# Altium PCB Atom-N.PcbDoc (continued)
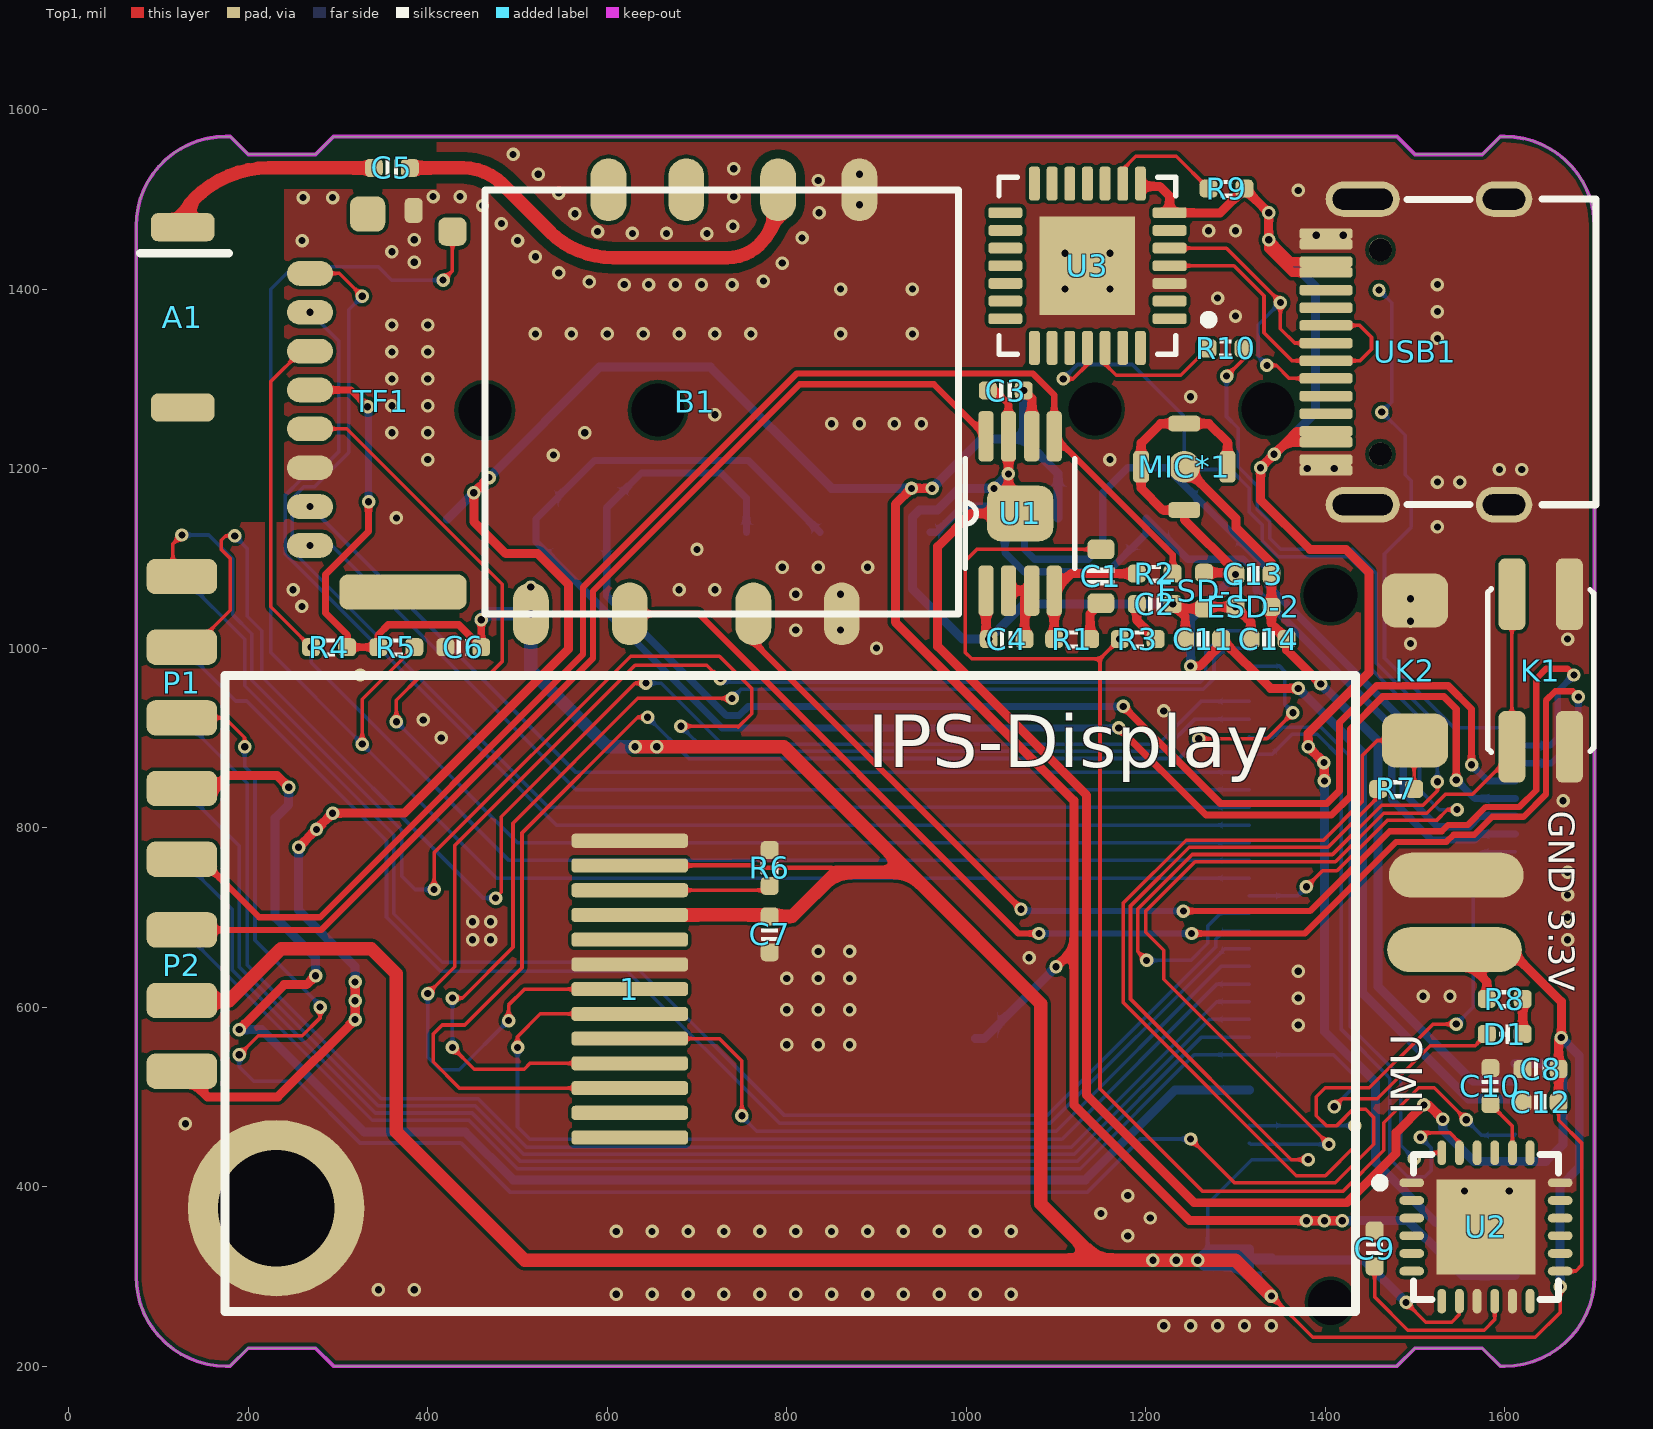
[diagram p0: Top1 view]
## Footprints (in the part's own frame and the unit in brackets; to place one, negate y for a bottom-side part, rotate by r counter-clockwise, add the part's x,y. Pads: shape width x height; smd on the part's side, far side on the other; paste and mask are expansions set on the pad) (continued)
USB-WIFI-BT-RTL8723BU [mil]
  oval 70x40 smd: 1(-240.63,150.94) 2(-240.63,60.39) 3(-240.63,-41.97) 4(-240.63,-128.58) 5(231.81,-215.2) 6(231.81,-104.96) 7(231.81,32.83) 8(231.81,131.26)
  silkscreen extent -241,-266 232,261, body extent -239,-264 234,263, height 55

## Part data
1: "显示屏"
A1: library part ANT-Rainsun-AP5120
B1: library part USB-WiFi-BT-RTL8723BU
C1: library part 电容-0603, "Capacitor"
C2 C3 C4 C5 C6 C7 C8 C9 C10 C11 C12 C13 C14: library part 电容-0402, "Capacitor"
D1: library part LED_0402, "LED", Type=0402
ESD-1 ESD-2 ESD-3 ESD-4 ESD-5 ESD-6: "ESD"
K1: library part ButtonTACT, "Button", Type="TACT 4P"
K2: library part ButtonTACT_3x4x2_180, "Button", Type="TACT 2P"
MIC*1: library part MIC
P1 P2: "Header"
R1 R2 R3 R4 R5 R6 R7 R8 R9 R10: library part 电阻-0402, "Resistor"
S1: library part Quantum-Quark-N
TF1: library part TF卡座, "8脚自弹"
U2: "六轴传感器"
U3: "USB转TTL", MFG #1="SILICON LABS", PART DESC="SINGLE-CHIP USB TO UART BRIDGE, QFN28, RoHS.", PART NUMBER=CP2102, RefDes=RefDes, Type=DEV
USB1: library part USB-Type-C-TOP

## Free pads (board coordinates)
  oval 50x150 smd far side: ""(927,610) ""(1010,610)
  oval 150x50 smd: ""(1544,664) ""(1546,747)
  round 137.8 smd far side: ""(1622,1364)

## Via types
v1: diameter 15, hole 8, Top1 to Bottom2, tented both sides, 283 vias

## Nets (pads, with @x,y where several pads share a name; then routed paths per layer and width w, separated by ;. In a path a pad name is that pad's centre, name@x,y a point inside that pad or via, vN(x,y) a via of type N, cw(c..) or ccw(c..) an arc to the next point about the centre after c; other vN are vias at no path point)
AGND: C2.1 C3.1 C4.1 C11.1 C14.1 ESD-1.2 ESD-2.1 S1.25 U1.1 U1.7 U1.9 | length 2510.7
  Top1 w8: C3.1 1032,1287 1047,1272 U1.7
  Top1 w10: C4.1@1022,1013 U1.1 ; U1.9@1047,1163 v1(1047,1194) U1.7 ; U1.9 1005,1150 968,1113 968,1002 1134,836 1134,502 1254,382 1424,382 1479,437 1479,460 v1(1510,491) 1515,491 v1(1531,475) ; v1(1230,1049) C2.1@1235,1044 ; C11.1 1244,1035 C2.1@1235,1044 ; C14.1 1317,1029 v1(1300,1046) 1267,1046 ESD-1.2 C2.1@1235,1044
  Bottom2 w10: v1(1047,1194) v1(1031,1178) 992,1178 968,1154 948,1154 940,1146 940,1066 996,1010 v1(1025,1010) 1064,1049 v1(1230,1049) ; v1(1510,491) 1515,491 v1(1531,475) 1531,462.5 1565.5,428 1645.95,428 1665,447.05 1665,525 1652.95,537.05 S1.25
AP-RESET: K1.2 K1.4 S1.16 | length 1092.8
  Top1 w4: v1(1404,447) 1220,631 1220,663.5 1200,683.5 1200,707.06 1254.94,762 1411.31,762 1465.31,816 1513,816 1534,837 1564,837 1608,881 K1.4 K1.2
  Bottom2 w4: S1.16 1316.89,447 v1(1404,447)
CP_Rx: S1.44 U3.25 | length 1134.1
  Top1 w4: v1(1108,1300) 1119,1300 1135,1316 U3.25 ; v1(1379,734) 1397,752 1413,752 1469,808 1524,808 ; 1524.5,808.5 1524,808 ; v1(1546.94,820) 1536,820 1524,808
  Bottom2 w4: v1(1108,1300) 1124,1316 1185,1316 1243,1258 1243,1212 1256,1199 1294.44,1199 1315.42,1178.02 1315.42,1151.58 1330,1137 1330,1119 1347,1102 1426,1102 1449,1079 1449,979 1505,923 1505,842 1527,820 v1(1546.94,820) ; S1.44 1369.06,724.06 v1(1379,734)
CP_Tx: R10.1 S1.42 | length 1242.4
  Top1 w4: v1(1201,652) 1191,662 1191,709.37 1251.63,770 1408,770 1463,825 1509,825 1525,841 v1(1525,851) ; v1(1290,1303) 1309,1322 R10.1
  Bottom2 w4: v1(1201,652) 1250,652 1269,671 1269,690.41 1282.96,704.37 S1.42 ; v1(1290,1303) 1290,1258 1303,1245 1303,1202 1324,1181 1324,1155 1338,1141 1338,1122.31 1350.31,1110 1430,1110 1457,1083 1457,983 1525,915 v1(1525,851)
EPHY-RXN: S1.73
EPHY-RXP: S1.75
EPHY-TXN: S1.71
EPHY-TXP: S1.69
GND: 1.8 1.13 B1.1 B1.8 C6.1 C7.2 C8.2 C9.2 C10.1 C12.1 ESD-3.1 ESD-4.1 ESD-5.1 ESD-6.1 K1.1 K1.3 K2.1 P2.6 P2.8 P3.0 P3.4 P4.0 P4.4 pad.@927,610 pad.@1546,747 R6.1 S1.0 S1.27 S1.29 S1.31 S1.33 S1.35 S1.37 S1.39 S1.41 S1.43 S1.45 S1.47 TF1.6 TF1.10 U2. U2.1 U2.9 U2.11 U2.18 U3.3 U3.29 USB1.1 USB1.2 USB1.3 USB1.4 USB1.A1 USB1.A12 USB1.B1 USB1.B12
  other v1: 1220,245 1250,245 1280,245 1310,245 1340,245 610,280 650,280 690,280 730,280 770,280 810,280 850,280 890,280 930,280 970,280 1010,280 1050,280 345,285 385,285 1180,345 610,350 650,350 690,350 730,350 770,350 810,350 850,350 890,350 930,350 970,350 1010,350 1050,350 1205,365 1150,370 1180,390 1555,395 1605,395 130,470 800,558 835,558 870,558 1370,580 800,597 835,597 870,597 1370,610 1509,612 1539,612 800,632 835,632 870,632 1370,640 1070,655 835,662 870,662 450,675 470,675 1670,675 450,695 470,695 1670,700 1670,725 1670,750 1665,830 415,900 395,920 1220,930 325,970 900,1000 1495,1005 1670,1010 810,1020 860,1020 1495,1030 259.8,1046.48 1495,1055 810,1060 860,1060 250,1065 680,1065 720,1065 795,1090 835,1090 890,1090 700,1110 1525,1135 365,1145 1525,1185 1550,1185 1594,1199 1619,1199 1380,1200 1410,1200 400,1210 1160,1210 540,1215 360,1240 400,1240 575,1240 850,1250 880.94,1250 920,1250 950,1250 720,1260 360,1270 400,1270 1250,1280 360,1300 400,1300 360,1330 400,1330 1525,1345 520,1350 560,1350 600,1350 640,1350 680,1350 720,1350 760,1350 860,1350 940,1350 360,1360 400,1360 1300,1370 1525,1375 1280,1390 860,1400 940,1400 1110,1400 1160,1400 619,1405 646,1405 676,1405 705,1405 739,1405 1525,1405 580,1408 774,1409 546,1418 795,1429 385,1430 520,1436 1110,1440 1160,1440 360,1441.65 260,1454 500,1454 385,1455 817,1457 1390,1460 1420,1460 628,1462 666,1462 711,1461.89 589.17,1464.04 1270,1465 1300,1465 740,1470 482,1473 564,1484 836,1485 461,1493 881,1494 261,1502 294,1502 406,1503 436,1503 741,1503 546,1507 1370,1510 835,1521 523,1528 881,1528 741,1534 495,1550
GPIOG11: P1.5 S1.49 | length 2492
  Top1 w4: P1.5 173.8,922.26 196.01,900.05 v1(196.01,890) ; v1(190,546.89) 211.05,567.94 260.16,567.94 280,587.78 v1(280,600) ; v1(1250,453) 1298.79,404.21 1411.21,404.21 1454,447 1454,477 1445,486 1431,486 1413,468 1401,468 1390,479 1390,500 1400,510 1449,510 1520,581 v1(1546,581)
  Bottom2 w4: v1(190,546.89) 190,533.31 205.95,517.36 255.64,517.36 324.49,448.51 436.92,448.51 491.56,393.88 1135,393.88 1194.12,453 v1(1250,453) ; v1(196.01,890) 196.01,867.99 207.51,856.49 207.51,674.49 280,602 v1(280,600) ; v1(1546,581) 1565,600 1565,763 1575.27,773.27 S1.49
I2C1_SCL: P1.1 S1.64 | length 1870
  Top1 w4: P1.1 116,1089.74 116,1116 v1(126,1126) ; v1(407,731) 407,772 626,991 725,991 761,955 761,927 746,912 745,913 v1(682,913)
  Bottom2 w4: v1(126,1126) 156,1126 182.5,1099.5 182.5,1037.5 204,1016 204,964 371,797 371,746 386,731 v1(407,731) ; v1(682,913) 710,885 1219,885 1254.9,920.9 S1.64
I2C1_SDA: P1.3 S1.66 | length 1738.3
  Top1 w4: P1.3 138.81,1001 180,1042.19 180,1099.82 170,1109.82 170,1120 175,1125 v1(185,1125) ; v1(475.5,721.5) 482,728 482,812 631,961 v1(643,961)
  Bottom2 w4: v1(185,1125) 199,1111 199,1035.41 215,1019.41 215,968 461.5,721.5 v1(475.5,721.5) ; v1(643,961) 660,961 728,893 1214,893 1261.59,940.59 S1.66
KEY1: K2.2 R7.1 S1.18 | length 1087.3
  Top1 w4: v1(1433,468) 1433,445 1400.21,412.21 1367.84,412.21 1175,605.06 1175,716 1245,786 1398,786 1441,829 1441,880 1458,897 K2.2 1499,896 R7.1
  Bottom2 w4: S1.18 1315.57,468 v1(1433,468)
KEYADC: P1.7 S1.22 | length 1711.2
  Top1 w10: P1.7 162.32,843.52 176.73,857.93 232.07,857.93 v1(245,845) ; v1(190,575) 240,625 265,625 v1(275,635)
  Bottom2 w10: v1(190,575) 215,575 329.26,460.74 441.85,460.74 495,407.59 1132.61,407.59 1232.54,507.52 S1.22 ; v1(245,845) 245,825.49 230,810.49 230,700 275,655 v1(275,635)
LCD_CS: 1.7 S1.74 | length 1539.8
  Top1 w4: v1(400,615) 430,645 430,780 631,981 711,981 v1(726,966) ; v1(490,585) 490,602.26 507.74,620 1.7@619.56,620
  Bottom2 w4: v1(400,615) 400,544.11 413.95,530.16 435.16,530.16 v1(490,585) ; v1(726,966) 726,962 1260.69,962 1267,968.31 1267,996 1290.33,1019.33 S1.74
LCD_RES: 1.6 S1.34 | length 1128.5
  Top1 w4: v1(500,555) 500,567 525.44,592.44 1.6
  Bottom2 w4: v1(500,555) 500,466.75 513.87,452.88 1106.61,452.88 1279.36,625.63 S1.34
LCD_RS: 1.5 S1.36 | length 845.4
  Top1 w4: 1.5 725.12,564.88 750,540 v1(750,479)
  Bottom2 w4: v1@749.5,478.5 766.49,461.51 1100.1,461.51 1283.91,645.32 S1.36
LCD_SCL: 1.4 S1.72 | length 1407.9
  Top1 w4: v1(427.5,555) 451.61,530.88 507.36,530.88 513.8,537.32 1.4 ; v1(427.5,610) 438.5,610 495,666.5 495,805 634,944 v1(739,944)
  Bottom2 w4: v1(427.5,555) v1(427.5,610) ; v1(739,944) 749,954 1264,954 1276.05,966.05 1276.05,987.05 1288.64,999.64 S1.72
LCD_SDA: 1.3 S1.70 | length 1588.3
  Top1 w4: 1.3 435.24,509.76 406,539 406,570 416,580 441.27,580 505,643.73 505,794 634,923 v1(645,923) ; v1(1259,899) 1335,899 v1(1364,928)
  Bottom2 w4: v1(645,923) 691,877 1237,877 v1(1259,899) ; S1.70 1349.04,979.96 1355,974 1355,937 v1(1364,928) v1@1362,928
LEDK: 1.11 R6.2 | length 158
  Top1 w4: 1.11 776.18,730.24 R6.2
MICN: C11.2 C13.2 ESD-1.1 MIC*1.1 S1.21 | length 1243.8
  Top1 w10: v1(1250,980) 1260,980 1284,1004 C11.2 1339,955 v1(1370,955) ; ESD-1.1 C13.2@1298,1084 ; MIC*1.1@1291.15,1202 1291.15,1229.44 1270.45,1250.15 1243,1250.15 1216.6,1250.15 1194.85,1228.4 1194.85,1202 1194.85,1178.15 1219.15,1153.85 1243,1153.85 1243,1143 C13.2@1300,1086
  Bottom2 w10: v1(1250,980) 1250,1032 v1(1300,1082) ; v1(1370,955) 1441.73,883.27 1441.73,615.27 1559.32,497.68 S1.21
MICP: C13.1 C14.2 ESD-2.2 MIC*1.2 S1.23 | length 865.1
  Top1 w10: MIC*1.2 1300.74,1144.25 1300.74,1134.26 1340,1095 C13.1 ESD-2.2 1340,1027 C14.2 1357,998 v1(1395,960)
  Bottom2 w10: v1(1395,960) 1459,896 1459,622.72 1564.36,517.36 S1.23
MPU_SCL: S1.60 U2.23 | length 752.3
  Top1 w4: v1(1506,455) 1511,460 1539,460 1549.47,449.53 U2.23
  Bottom2 w4: S1.60 1340.53,881.53 1363,904 1391,904 1418,877 1418,575 1472,521 1472,431 1492,411 1511,411 1518,418 1518,443 v1(1506,455)
MPU_SDA: S1.62 U2.24 | length 642.7
  Top1 w4: v1(1499,431) 1505.68,437.68 U2.24
  Bottom2 w4: S1.62 1316.64,900 1341,900 1353,912 1395,912 1428,879 1428,578 1484,522 1484,446 v1(1499,431)
NetA1_1: A1.1 C5.1 | length 244.3
  Top1 w15: A1.1 cw(c171.98,1469) 140.17,1500.8 cw(c222.73,1418.24) 222.73,1535 C5.1
NetB1_2: B1.2 C5.2 | length 494.6
  Top1 w15: C5.2 439.57,1535 cw(c439.57,1473.6) 482.98,1517.02 535.71,1464.29 ccw(c606.42,1535) 606.42,1435 733.79,1435 ccw(c733.79,1486.21) 770,1450 ccw(c720.77,1499.23) 790.39,1499.23 B1.2
NetC1_1: C1.1 R1.1 | length 45
  Top1 w10: R1.1 1138,1038 C1.1
NetC2_2: C2.2 R3.1 | length 47.7
  Top1 w10: C2.2 1190,1031 R3.1
NetC4_2: C4.2 U1.2 U1.3 | length 83.3
  Top1 w10: U1.2 U1.3 1065,1056 C4.2
NetC9_1: C9.1 U2.10 | length 208.6
  Top1 w4: C9.1 1455,277 1492,240 1577,240 1588.84,251.84 U2.10
NetC10_2: C10.2 U2.20 | length 64.5
  Top1 w4: C10.2 1608.53,467.47 U2.20
NetD1_1: D1.1 R8.1 | length 39
  Top1 w10: D1.1 R8.1
NetR1_2: R1.2 R2.1 U1.4 | length 153.9
  Top1 w10: R1.2 U1.4 1117,1083 R2.1
NetR9_2: R9.2 U3.9 | length 135.5
  Top1 w4: U3.9@1174.37,1514.5 U3.9 1174.37,1533.37 1189,1548 1234,1548 R9.2
NetR10_2: R10.2 U3.26 | length 147
  Top1 w4: U3.26@1154.69,1331.5 1154.69,1316.32 1167,1304 1239,1304 R10.2
OUT_SND: C1.2 R3.2 S1.17 | length 1519.5
  Top1 w4: C1.2 1012,1110 999,1097 999,995 1006,988 1149,988 ; v1(1171,1010) 1149,988 ; v1(1557,474.5) 1521.5,510 1504.12,510 1465.31,471.2 1465.31,440.31 1420,395 1263,395 1149,509 1149,988
  Bottom2 w4: v1(1557,474.5) 1574.5,457 1610.36,457 S1.17
RECOVERY: S1.20
SDMMC_CLK: S1.50 TF1.5 | length 1538.1
  Top1 w4: TF1.5 309.72,1244.28 483,1071 483,985 468,970 393,970 365,942 v1(365,918)
  Bottom2 w4: v1(365,918) 499.89,783.11 S1.50
SDMMC_CMD: R4.2 S1.48 TF1.3 | length 1526.3
  Top1 w4: TF1.3 258.9,1330.9 225,1297 225,1046 v1(270,1001)
  Bottom2 w4: v1(270,1001) 270,984 490.58,763.42 S1.48
SDMMC_D0: S1.58 TF1.7 | length 1169.2
  Bottom2 w4: v1(268.79,1157.67) 564.61,861.85 S1.58
SDMMC_D1: S1.56 TF1.8 | length 1159.4
  Bottom2 w4: v1(268.79,1114.36) 292.91,1114.36 565.11,842.16 S1.56
SDMMC_D2: S1.54 TF1.1 | length 1576.4
  Top1 w4: TF1.1 301.49,1417.51 v1(327,1392)
  Bottom2 w4: v1(327,1392) 312,1377 312,1218 274,1180 262.31,1180 249,1166.69 249,1108.31 534.83,822.48 S1.54
SDMMC_D3: S1.52 TF1.2 | length 1513.4
  Bottom2 w4: v1(268.79,1374.2) 301,1341.99 301,1219 270,1188 259,1188 241,1170 241,1105 543.21,802.79 S1.52
SDMMC_DET: R5.2 S1.46 TF1.9 | length 1998.5
  Top1 w4: v1(327,893) 327,943 R5.2 ; v1(417,1410) 427.5,1420.5 TF1.9
  Bottom2 w4: v1(417,1410) 360,1410 345,1425 250,1425 225,1400 225,995 v1(327,893) 476.26,743.74 S1.46
SPEAKER_N: P2.3 U1.8 | length 1215.8
  Top1 w7: P2.3 281.56,686 584,988.44 584,1063.44 814.56,1294 964,1294 U1.8
SPEAKER_P: P2.1 R2.2 U1.5 | length 1556.1
  Top1 w7: P2.1@128.13,766.87 145.13,766.87 212,700 280,700 573,993 573,1068 811,1306 1074,1306 1098,1282 U1.5 1230,1104 R2.2
UART1_RX: P1.4 S1.38 | length 1539.6
  Bottom2 w4: P1.4 186,941 198.31,941 354,785.31 354,700.11 414.11,640 622.36,640 791.85,470.51 1093.36,470.51 1287.84,665 S1.38
UART1_TX: P1.2 S1.40 | length 1610.1
  Bottom2 w4: P1.2 196,1009.74 196,958 362,792 362,704.17 416.17,650 626.79,650 797.51,479.27 1090.27,479.27 1278,667 1278,675.65 1287.04,684.69 S1.40
UART3_CTS: D1.2 P2.4 S1.26 | length 1725.1
  Top1 w4: v1(1410,489) 1419,498 1458,498 1517,557 1567,557 D1.2
  Bottom2 w4: P2.4 338,474 446,474 500,420 1126.94,420 1253.83,546.89 S1.26 1409.11,546.89 1431,525 1431,510 v1(1410,489)
UART3_RTS: P1.8 S1.30 | length 1499.5
  Bottom2 w4: P1.8 190,779.52 190,644.63 344.63,490 452.63,490 506.63,436 1120.31,436 1270.57,586.26 S1.30
UART3_RX: P1.6 S1.32 | length 1573.1
  Bottom2 w4: P1.6 199,849.26 199,646.94 347.94,498 456,498 510,444 1117,444 1278.94,605.94 S1.32
UART3_TX: P2.2 S1.28 | length 1425.8
  Bottom2 w4: P2.2 182,708.74 182,641.31 341.31,482 449.31,482 503.31,428 1123.63,428 1262.2,566.57 S1.28
UBOOT: S1.24
USB0-DM: S1.65
USB0-DP: S1.67
USB0-OTGID: S1.63 | length 624.4
  Bottom2 w4: v1(1459.9,1398.9) 1474,1384.8 1474,1274 v1(1463,1263) 1489,1237 1489,1193 1496,1186 1496,1135 1466,1105 1466,988.9 1543.84,911.06 S1.63
USB2-DM: ESD-4.2 P3.2 S1.55 | length 1811.1
  Top1 w8: v1(1170,911.06) 1267.06,814 1407,814 1428,835 1428,910 1464,946 1532.03,946 1546,932.03 v1(1546,853)
  Bottom2 w8: ESD-4.2 757,1209 585.69,1209 P3.2 520.63,1118.37 727.94,911.06 v1(1170,911.06) ; v1(1546,853) 1566.68,832.32 S1.55
USB2-DP: ESD-3.2 P3.3 S1.57 | length 1614.8
  Top1 w8: v1(1175,935) 1283,827 1402,827 1416,841 1416,917 1457,958 1537,958 1563,932 1563,923 v1(1563,870)
  Bottom2 w8: ESD-3.2 755,1167 727,1195 638,1195 599.37,1156.37 P3.3 599.37,1058.22 732.69,924.9 746.9,924.9 757,935 v1(1175,935) ; v1(1563,870) 1580.99,852.01 S1.57
USB3-DM: ESD-6.2 P4.2 S1.51 | length 846.8
  Bottom2 w8: ESD-6.2 1043,1106.37 1064.37,1085 1158,1085 1200.63,1127.63 P4.2 1246.67,1099 1308.44,1099 1323,1084.44 1323,1064 1474,913 1474,831 1519,786 1566.05,786 1573,792.95 S1.51
USB3-DP: ESD-5.2 P4.3 S1.53 | length 1013.2
  Bottom2 w8: ESD-5.2 967,1129 996,1158 1052,1158 1065,1145 1065,1110 1076,1099 1136,1099 1152,1115 1152,1173 1180,1201 1223.41,1201 P4.3 1336,1088.41 1336,1070 1487,919 1487,839 1525,801 1560.36,801 1572,812.64 S1.53
USB-CP-DM: U3.5 USB1.A7 USB1.B7 | length 391.6
  Top1 w4: U3.5 1289.9,1445.69 1350,1385.58 v1(1350,1385) 1350,1355.9 1366.06,1339.84 USB1.A7 ; v1(1335,1315) 1345.43,1315 1359.95,1300.47 USB1.B7
  Bottom2 w4: v1(1335,1315) 1325.27,1324.73 1325.27,1360.27 v1(1350,1385)
USB-CP-DP: U3.4 USB1.A6 USB1.B6 | length 393.3
  Top1 w4: U3.4 1298.27,1426 1331.71,1392.56 1331.71,1351.29 1362.84,1320.16 USB1.A6 1438.67,1320.16 1451.53,1333.02 1451.53,1346.47 1438.47,1359.53 USB1.B6 USB1.B6@1375.47,1359.53
USB-WIFI-DM: B1.6 S1.59 | length 1506.9
  Top1 w7: B1.6 701.81,1038.19 1058,682 v1(1081,682) ; v1(1251,682) 1377,682 1479,784 1535,784 1543,792 1566,792 1586,812 1621,812 1646,837 1646,844 1646,941.73 1656.27,952 1675.67,952 v1(1682,945.67)
  Bottom2 w7: v1(1081,682) v1(1251,682) ; S1.59 1651.69,871.69 1682,902 v1(1682,945.67)
USB-WIFI-DP: B1.7 S1.61 | length 1385.5
  Top1 w7: B1.7 762.83,1007.17 v1(1061,709) ; v1(1242,707) 1383,707 1472,796 1530,796 1537,803 1559,803 1579,823 1616.44,823 1635,841.56 1635,966 1646,977 1670,977 v1(1677,970)
  Bottom2 w7: v1(1061,709) 1063,707 v1(1242,707) ; S1.61 1650.38,891.38 1659,900 1659,952 v1(1677,970)
VDD_3V3: 1.10 1.12 B1.5 C6.2 C7.1 C8.1 C12.2 P2.5 pad.@1544,664 R4.1 R5.1 R7.2 R8.2 S1.2 S1.4 TF1.4 U2.8 U2.13 | length 6685.6
  Top1 w4: v1(1340,278) 1386,232 1634,232 1661.68,259.68 v1(1661.68,288.32) ; v1(1381,430) 1362,430 1183,609 1183,712.69 1248.31,778 1403,778 1459,834 R7.2 ; v1(1490,271) 1512,249 1541,249 1549.47,257.47 U2.8 ; C12.2 1660,474.08 1686,448.08 1686,312.79 1679,305.79 U2.13
  Top1 w5: 1.12 738.76,757.8 762.21,757.8 765,755 850,755 855,750
  Top1 w8: TF1.4 314.41,1287.59 v1(333,1269) ; v1(334,1163) 334,1130 286,1082 286,1039 310,1015 R4.1 R5.1 345,1015 356,1026 434.57,1026 C6.2 v1(459.57,1031.57)
  Top1 w10: R8.2 1580,628 1544,664 1605,664 1663,606 v1(1663,566) 1660,563 C8.1 C12.2
  Top1 w15: P2.5 178.75,607.26 236.49,665 337,665 365,637 365,461 508,318 1146,318 ; 1.10 779.38,702.68 C7.1 806.06,701.06 855,750 936.87,750 ; v1(631,890) v1(655.08,890) 796.87,890 936.87,750 ; v1(1340,278) 1300,318 v1(1258,318) v1(1234,318) v1(1208,318) 1146,318 ; 936.87,750 1083,603.87 1083,381 1146,318
  Bottom2 w4: v1(1258,318) 1268,318 1269,319 1269,329 1269,381 1318,430 v1(1381,430)
  Bottom2 w8: v1(333,1269) 334,1268 v1(334,1163)
  Bottom2 w10: v1(1208,318) v1(1234,318) v1(1258,318) ; 1269,319 1280.35,330.35 ; 1341,320 1340.49,320.51 1315.42,320.51 ; v1(1490,271) 1443,318 1315.42,318 ; v1(1661.68,288.32) 1661.68,400 1683,421.32 1683,546 v1(1663,566) ; v1(1258,318) 1269,329 1270.35,330.35 1280.35,330.35 ; v1(1258,318) 1265.33,310.67 1275.33,310.67 ; 1275.33,310.67 1268,318 1277.22,318 ; 1275.33,310.67 1284.55,310.67 ; 1277.22,318 1300,318 1312.91,318 ; 1277.22,318 1285,325.78 ; 1277.22,318 1284.55,310.67 ; 1280.35,330.35 S1.4@1289.57,330.35 ; 1284.55,310.67 1307.33,310.67 S1.2 1315.42,318 ; 1285,325.78 S1.4@1289.57,330.35 ; 1285,325.78 1305.13,325.78 1312.91,318 ; S1.4@1289.57,330.35 S1.4 1315.42,320.51 ; 1312.91,318 1315.42,318 ; 1312.91,318 1315.42,320.51 ; 1315.42,318 1315.42,320.51
  Bottom2 w15: v1(459.57,1031.57) 466.19,1038.19 v1(514.8,1038.19) ; v1(514.8,1068) v1(514.8,1038.19) ; v1(655.08,890) v1(631,890) 600,890 514.8,975.2 v1(514.8,1038.19) ; 1300,318 1307.33,310.67 v1(1340,278)
VDD_5V: C3.2 P2.7 P3.1 P4.1 pad.@1010,610 S1.1 S1.3 U1.6 | length 3872.1
  Top1 w10: P2.7 154.52,500 233,500 v1(319,586) v1(319,607) v1(319,628) ; v1(256,778) v1(276,798) v1(294,816) 374,816 557,999 557,1070.74 522.47,1105.27 487,1105.27 451.27,1141 v1(451.27,1173) v1(468.27,1190) ; v1(962,1178) v1(939,1178) 921,1160 921,1029 1120,830 1120,680 1120,665 ; v1(1064,1287) 1073,1278 U1.6 ; v1(1100,645) 1120,665 ; v1(1419,362) v1(1399,362) v1(1379,362) 1249,362 1120,491 1120,665
  Bottom2 w10: v1(294,816) v1(276,798) v1(256,778) 256,708 319,645 v1(319,628) v1(319,607) v1(319,586) ; P3.1 v1(451.27,1173) v1(468.27,1190) 591.27,1313 715,1313 850,1178 v1(939,1178) v1(962,1178) 1017,1233 1064,1233 ; pad.@1010,565 1020,565 v1(1100,645) ; v1(1064,1287) 1064,1233 ; P4.1 1102.2,1194.8 1064,1233 ; v1(1379,362) v1(1399,362) v1(1419,362) 1492,362 1533.49,320.51 ; 1533.49,320.51 S1.3 S1.1 1553.17,300.83 1533.49,320.51
VDD_AV_3V3: S1.6
VDD_USB_5V: R9.1 S1.5 S1.7 U3.7 U3.8 USB1.A4 USB1.A9 USB1.B4 USB1.B9 | length 2056.7
  Top1 w10: U3.8@1194.06,1514.5 1215.5,1514.5 1226.5,1503.5 U3.7 U3.7 1283,1485 R9.1 v1(1337,1485) v1(1337,1455) ; v1(1399,852) 1399,872 v1(1398.5,872.5) v1(1381,890) 1381,905 1449,973 1449,1084 1423,1110 1383,1110 1328,1165 v1(1328,1201) v1(1343,1216) 1356.61,1229.61 ; USB1.A4 1356.61,1229.61 ; USB1.B9 1368.42,1241.42 1356.61,1229.61 ; USB1.B4 1363.42,1418.58 1337,1445 v1(1337,1455) ; USB1.A9 1361.61,1430.39 v1(1337,1455)
  Bottom2 w10: v1(1328,1201) v1(1343,1216) 1389,1262 1389,1403 v1(1337,1455) v1(1337,1485) ; v1(1381,890) v1(1398.5,872.5) 1399,872 v1(1399,852) 1399,573 1456,516 1456,427 1523.12,359.88 1560.12,359.88 ; 1560.12,359.88 S1.7 S1.5 1579.8,340.2 1560.12,359.88
pads on no net: 1.1 1.2 1.9 A1. B1.3 B1.4 P3.MH1 P3.MH2 P4.MH1 P4.MH2 S1.19 S1.68 S1.MH1 S1.MH2 TF1. U2.2 U2.3 U2.4 U2.5 U2.6 U2.7 U2.12 U2.14 U2.15 U2.16 U2.17 U2.19 U2.21 U2.22 U3.1 U3.2 U3.6 U3.10 U3.11 U3.12 U3.13 U3.14 U3.15 U3.16 U3.17 U3.18 U3.19 U3.20 U3.21 U3.22 U3.23 U3.24 U3.27 U3.28 USB1.0 USB1.A5 USB1.A8 USB1.B5 USB1.B8

## Polygon pours and split planes (outlines as drawn)
GND on Bottom2 "Bottom4-GND" (solid, remove dead copper, pour order 0): 75,1570 1700,1570 1700,200 75,200
GND on Top1 "Bottom4-GND" (solid, remove dead copper, pour order 4): 75,1570 1700,1570 1700,200 75,200

## Keep-outs
Keep-Out Layer:
  the board outline again, w4

## Other copper
Top1:
  pour cut-out: 240,1585 410,1585 410,1511 240,1511
  pour cut-out: 240,1650 240,1140 20,1140 20,1650
Bottom2:
  pour cut-out: 410,1585 410,1512 240,1512 240,1585
  pour cut-out: 240,1650 240,1140 20,1140 20,1650

## Silkscreen, mask and mechanical layers (free items; w line width, h text height)
Top Overlay:
  lines w10: 174,261 1433.84,261 1433.84,969.66 174,969.66 174,261
  text "IPS-Display" at 890,847.52 h100
  text "GND" at 1639,819 h50 r270
  text "3.3V" at 1639,709 h50 r270
  text "IMU" at 1520,480 h60 r90
Bottom Overlay:
  rectangle: 234,1015 415,1060
  rectangle: 234,900 245,955
  rectangle: 235,825 250,870
  rectangle: 395,905 410,985
  rectangle: 234,940 410,985
  rectangle: 234,860 410,910
  rectangle: 235,780 405,800
  rectangle: 234,745 255,790
  rectangle: 234,790 410,830
  rectangle: 385,705 410,830
  rectangle: 234,705 410,750
  rectangle: 235,545 400,595
  rectangle: 234,625 415,675
  rectangle: 360,505 420,675.93
  rectangle: 234,510 280,670
  rectangle: 234,505 405,515
  rectangle: 405,505 420,1098.07
  lines w10: 234,505 234,1098.07 595,1098.07 595,505 234,505
  text "WiFi" at 185,1430 h100 r90
  text "UART1-Tx" at 395,1065 h35
  text "I2C1-SCL" at 575,1064 h35
  text "[Project Quantum]" at 1244.84,1000 h70
  text "UART1-Rx" at 395,992 h35
  text "I2C1-SDA" at 577,990.93 h35
  text "PENGZHIHUI.COM" at 1025,940 h40
  text "2021.5.17" at 1244.84,940 h30
  text "SPI1-CLK" at 392,913 h35
  text "GPIO-G11" at 575,910.93 h35
  text "SPI1-MOSI" at 398,833 h35
  text "KEY-ADC" at 575,830.93 h35
  text "SPI1-CS" at 383,756 h35
  text "SPK-P" at 555,755.93 h35
  text "GND" at 900,695 h50 r270
  text "FAN-5V" at 980,695 h50 r270
  text "SPI1-MISO" at 399,676.93 h35
  text "SPK-N" at 555,675.93 h35
  text "GND" at 356,598 h35
  text "3.3V" at 535,595.93 h35
  text "GND" at 356,518 h35
  text "5V" at 525,515.93 h35
  text "Gnd" at 125,426 h50 r90
  text "Quark-N SOM" at 1235,280 h100
Drill Drawing:
  circle w10: c190.62,3152.28 r20
  circle w10: c190.62,3152.28 r33.33
  lines w10: 157.29,2385.61 173.96,2385.61 190.62,2368.94 207.29,2385.61 223.96,2385.61 207.29,2402.28 223.96,2418.94 207.29,2418.94 190.62,2435.61 173.96,2418.94 157.29,2418.94 173.96,2402.28 157.29,2385.61 ; 157.29,2518.94 223.96,2518.94 223.96,2585.61 157.29,2585.61 157.29,2518.94 ; 157.29,2668.94 223.96,2668.94 223.96,2735.61 157.29,2735.61 157.29,2668.94 ; 157.29,2818.94 157.29,2835.61 173.96,2852.28 157.29,2868.94 157.29,2885.61 173.96,2885.61 190.62,2868.94 207.29,2885.61 223.96,2885.61 223.96,2868.94 207.29,2852.28 223.96,2835.61 223.96,2818.94 207.29,2818.94 190.62,2835.61 173.96,2818.94 157.29,2818.94 ; 157.29,3002.28 190.62,2968.94 223.96,3002.28 190.62,3035.61 157.29,3002.28 ; 157.29,3285.61 173.96,3285.61 173.96,3268.94 207.29,3268.94 207.29,3285.61 223.96,3285.61 223.96,3318.94 207.29,3318.94 207.29,3335.61 173.96,3335.61 173.96,3318.94 157.29,3318.94 157.29,3285.61 ; 157.29,3418.94 190.62,3435.61 223.96,3418.94 207.29,3452.28 223.96,3485.61 190.62,3468.94 157.29,3485.61 173.96,3452.28 157.29,3418.94 ; 170.62,2682.28 210.62,2682.28 210.62,2722.28 170.62,2722.28 170.62,2682.28
  lines w15: 97.5,2323.94 13365.77,2323.94 ; 97.5,3523.94 13365.77,3523.94 ; 648.38,2173.94 648.38,3673.94 ; 1248.22,2173.94 1248.22,3673.94 ; 2397.88,2173.94 2397.88,3673.94 ; 2903.76,2173.94 2903.76,3673.94 ; 3637.56,2173.94 3637.56,3673.94 ; 4827.21,2173.94 4827.21,3673.94 ; 5417.06,2173.94 5417.06,3673.94 ; 6162.86,2173.94 6162.86,3673.94 ; 7352.51,2173.94 7352.51,3673.94 ; 8206.27,2173.94 8206.27,3673.94 ; 9539.88,2173.94 9539.88,3673.94 ; 10873.49,2173.94 10873.49,3673.94 ; 11963.17,2173.94 11963.17,3673.94 ; 97.5,2173.94 13365.77,2173.94 13365.77,3673.94 97.5,3673.94 97.5,2173.94
  text "Symbol" at 187.5,3568.94 h72
  text "Count" at 693.38,3568.94 h72
  text "Hole Size" at 1293.22,3568.94 h72
  text "Plated" at 2442.88,3568.94 h72
  text "Hole Type" at 2948.76,3568.94 h72
  text "Drill Layer Pair" at 3682.56,3568.94 h72
  text "Via/Pad" at 4872.21,3568.94 h72
  text "Pad Shape" at 5462.06,3568.94 h72
  text "Template" at 6207.86,3568.94 h72
  text "Description" at 7397.51,3568.94 h72
  text "Hole Tolerance (+)" at 8251.27,3568.94 h72
  text "Hole Tolerance (-)" at 9584.88,3568.94 h72
  text "Hole Length" at 10918.49,3568.94 h72
  text "Routed Path Length" at 12008.17,3568.94 h72
  text "1" at 693.38,3418.94 h60
  text "50.00mil (1.270mm)" at 1293.22,3418.94 h60
  text "NPTH" at 2442.88,3418.94 h60
  text "Round" at 2948.76,3418.94 h60
  text "Top1 - Bottom2" at 3682.56,3418.94 h60
  text "Pad" at 4872.21,3418.94 h60
  text "Rounded" at 5462.06,3418.94 h60
  text "c60hn127" at 6207.86,3418.94 h60
  text "-" at 10918.49,3418.94 h60
  text "-" at 12008.17,3418.94 h60
  text "1" at 693.38,3268.94 h60
  text "60.00mil (1.524mm)" at 1293.22,3268.94 h60
  text "NPTH" at 2442.88,3268.94 h60
  text "Round" at 2948.76,3268.94 h60
  text "Top1 - Bottom2" at 3682.56,3268.94 h60
  text "Pad" at 4872.21,3268.94 h60
  text "Rounded" at 5462.06,3268.94 h60
  text "c60hn152" at 6207.86,3268.94 h60
  text "-" at 10918.49,3268.94 h60
  text "-" at 12008.17,3268.94 h60
  text "1" at 693.38,3118.94 h60
  text "129.92mil (3.300mm)" at 1293.22,3118.94 h60
  text "PTH" at 2442.88,3118.94 h60
  text "Round" at 2948.76,3118.94 h60
  text "Top1 - Bottom2" at 3682.56,3118.94 h60
  text "Pad" at 4872.21,3118.94 h60
  text "Rounded" at 5462.06,3118.94 h60
  text "c500h330" at 6207.86,3118.94 h60
  text "-" at 10918.49,3118.94 h60
  text "-" at 12008.17,3118.94 h60
  text "2" at 693.38,2968.94 h60
  text "23.62mil (0.600mm)" at 1293.22,2968.94 h60
  text "PTH" at 2442.88,2968.94 h60
  text "Slot" at 2948.76,2968.94 h60
  text "Top1 - Bottom2" at 3682.56,2968.94 h60
  text "Pad" at 4872.21,2968.94 h60
  text "Rounded" at 5462.06,2968.94 h60
  text "r160_100h60_120r100" at 6207.86,2968.94 h60
  text "47.24mil (1.200mm)" at 10918.49,2968.94 h60
  text "23.62mil (0.600mm)" at 12008.17,2968.94 h60
  text "2" at 693.38,2818.94 h60
  text "23.62mil (0.600mm)" at 1293.22,2818.94 h60
  text "PTH" at 2442.88,2818.94 h60
  text "Slot" at 2948.76,2818.94 h60
  text "Top1 - Bottom2" at 3682.56,2818.94 h60
  text "Pad" at 4872.21,2818.94 h60
  text "Rounded" at 5462.06,2818.94 h60
  text "r210_100h60_170r100" at 6207.86,2818.94 h60
  text "66.93mil (1.700mm)" at 10918.49,2818.94 h60
  text "43.31mil (1.100mm)" at 12008.17,2818.94 h60
  text "2" at 693.38,2668.94 h60
  text "25.59mil (0.650mm)" at 1293.22,2668.94 h60
  text "PTH" at 2442.88,2668.94 h60
  text "Round" at 2948.76,2668.94 h60
  text "Top1 - Bottom2" at 3682.56,2668.94 h60
  text "Pad" at 4872.21,2668.94 h60
  text "Rounded" at 5462.06,2668.94 h60
  text "c65h65" at 6207.86,2668.94 h60
  text "-" at 10918.49,2668.94 h60
  text "-" at 12008.17,2668.94 h60
  text "4" at 693.38,2518.94 h60
  text "59.06mil (1.500mm)" at 1293.22,2518.94 h60
  text "NPTH" at 2442.88,2518.94 h60
  text "Round" at 2948.76,2518.94 h60
  text "Top1 - Bottom2" at 3682.56,2518.94 h60
  text "Pad" at 4872.21,2518.94 h60
  text "Rounded" at 5462.06,2518.94 h60
  text "c60hn150" at 6207.86,2518.94 h60
  text "-" at 10918.49,2518.94 h60
  text "-" at 12008.17,2518.94 h60
  text "283" at 693.38,2368.94 h60
  text "8.00mil (0.203mm)" at 1293.22,2368.94 h60
  text "PTH" at 2442.88,2368.94 h60
  text "Round" at 2948.76,2368.94 h60
  text "Top1 - Bottom2" at 3682.56,2368.94 h60
  text "Via" at 4872.21,2368.94 h60
  text "Rounded" at 5462.06,2368.94 h60
  text "v38h20m0mx0" at 6207.86,2368.94 h60
  text "-" at 10918.49,2368.94 h60
  text "-" at 12008.17,2368.94 h60
  text "296 Total" at 693.38,2218.94 h60
  text "Slot definitions :" at 187.5,2073.97 h60
  text "Routed Path Length" at 1220.19,2073.97 h60
  text "= Calculated from tool start centre position to tool end centre position." at 2322.86,2073.97 h60
  text "Hole Length" at 1220.19,1973.99 h60
  text "= Routed Path Length + Tool Size = Slot length as defined in the PCB layout" at 1912.99,1973.99 h60